# Altium PCB Copy of Power_Management_Board.PcbDoc (part 1 of 2)
Units mm, origin at the board's own origin, x right, y up, seen from the top; angles counter-clockwise.
Board outline 210 x 150 mm, 4 copper layers (Top Layer, Layer 1 (3.3V), Layer 2 (GND), Bottom Layer), stack 1.606 mm thick; 112 components, 88 nets, 553 pads, 196 vias.
Unrouted connection lines stored in the file: 1.
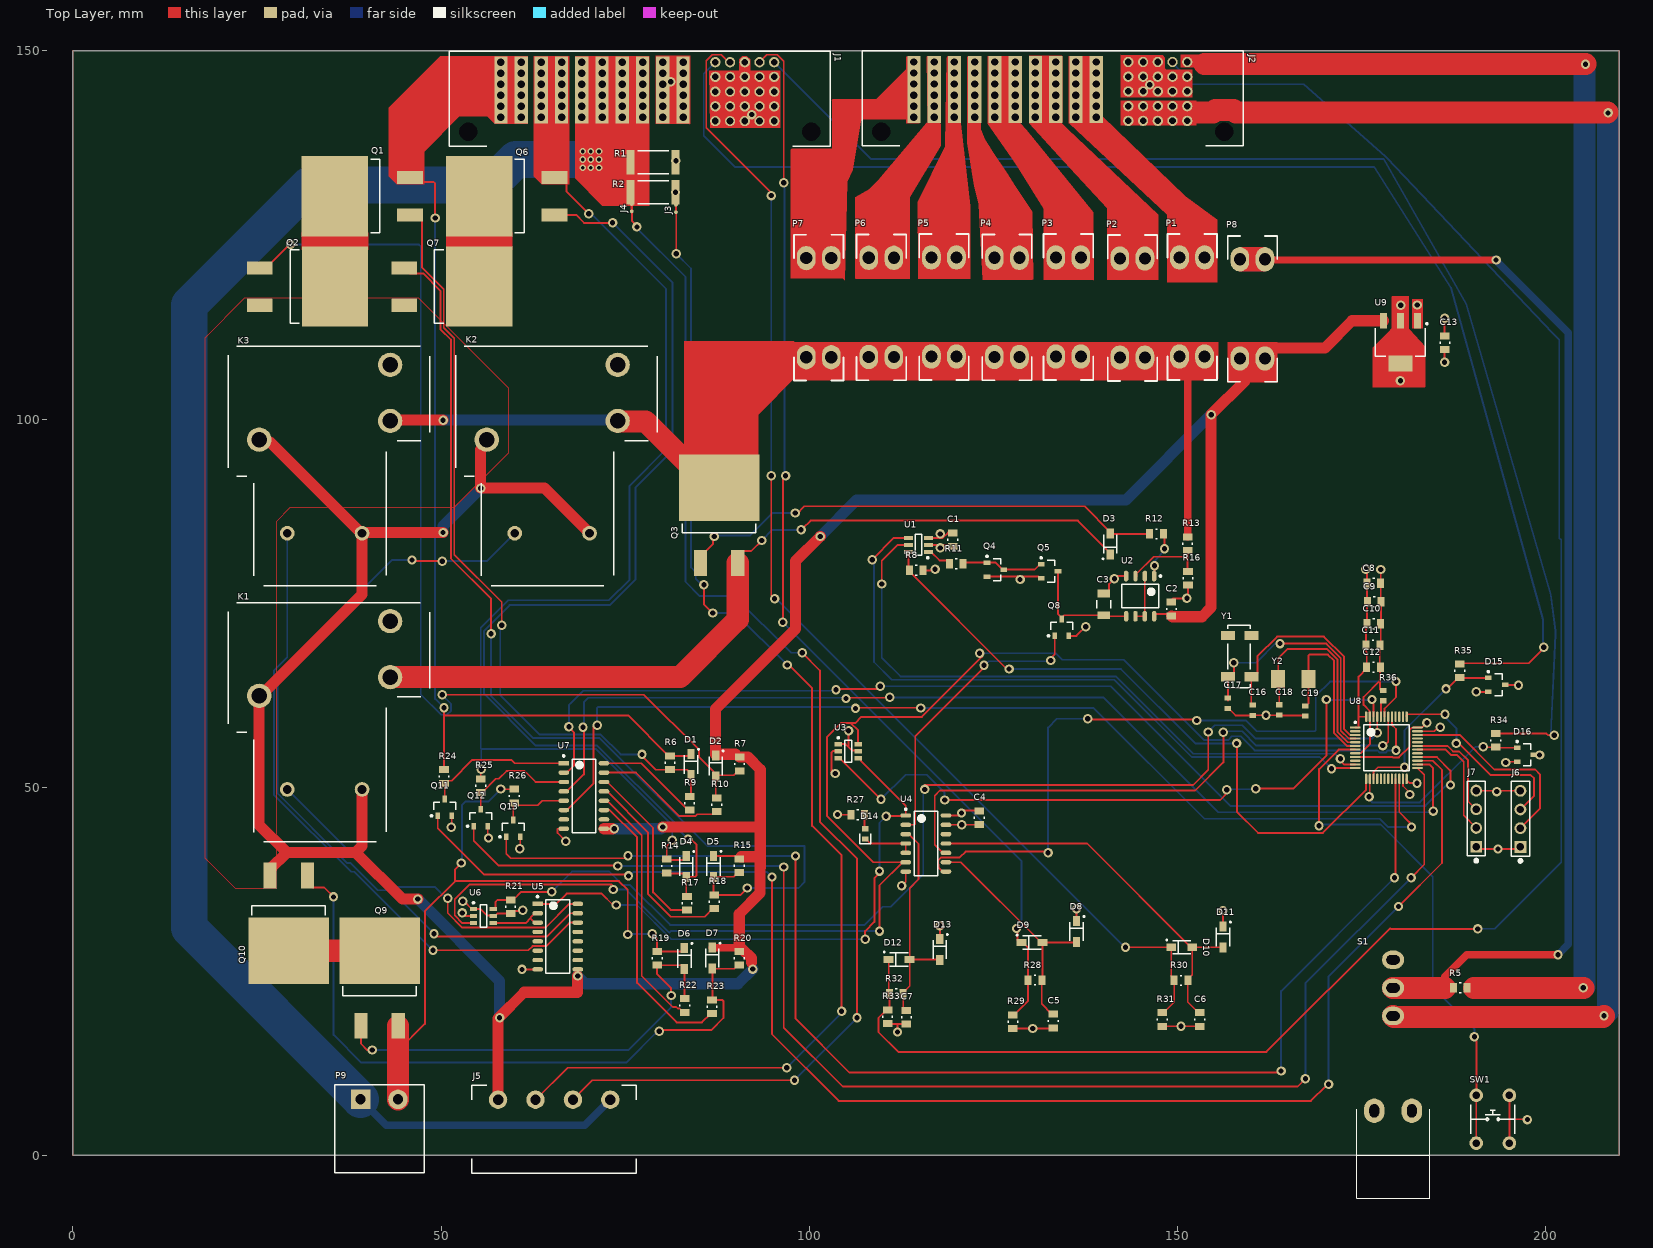
[diagram p0: Top Layer view]
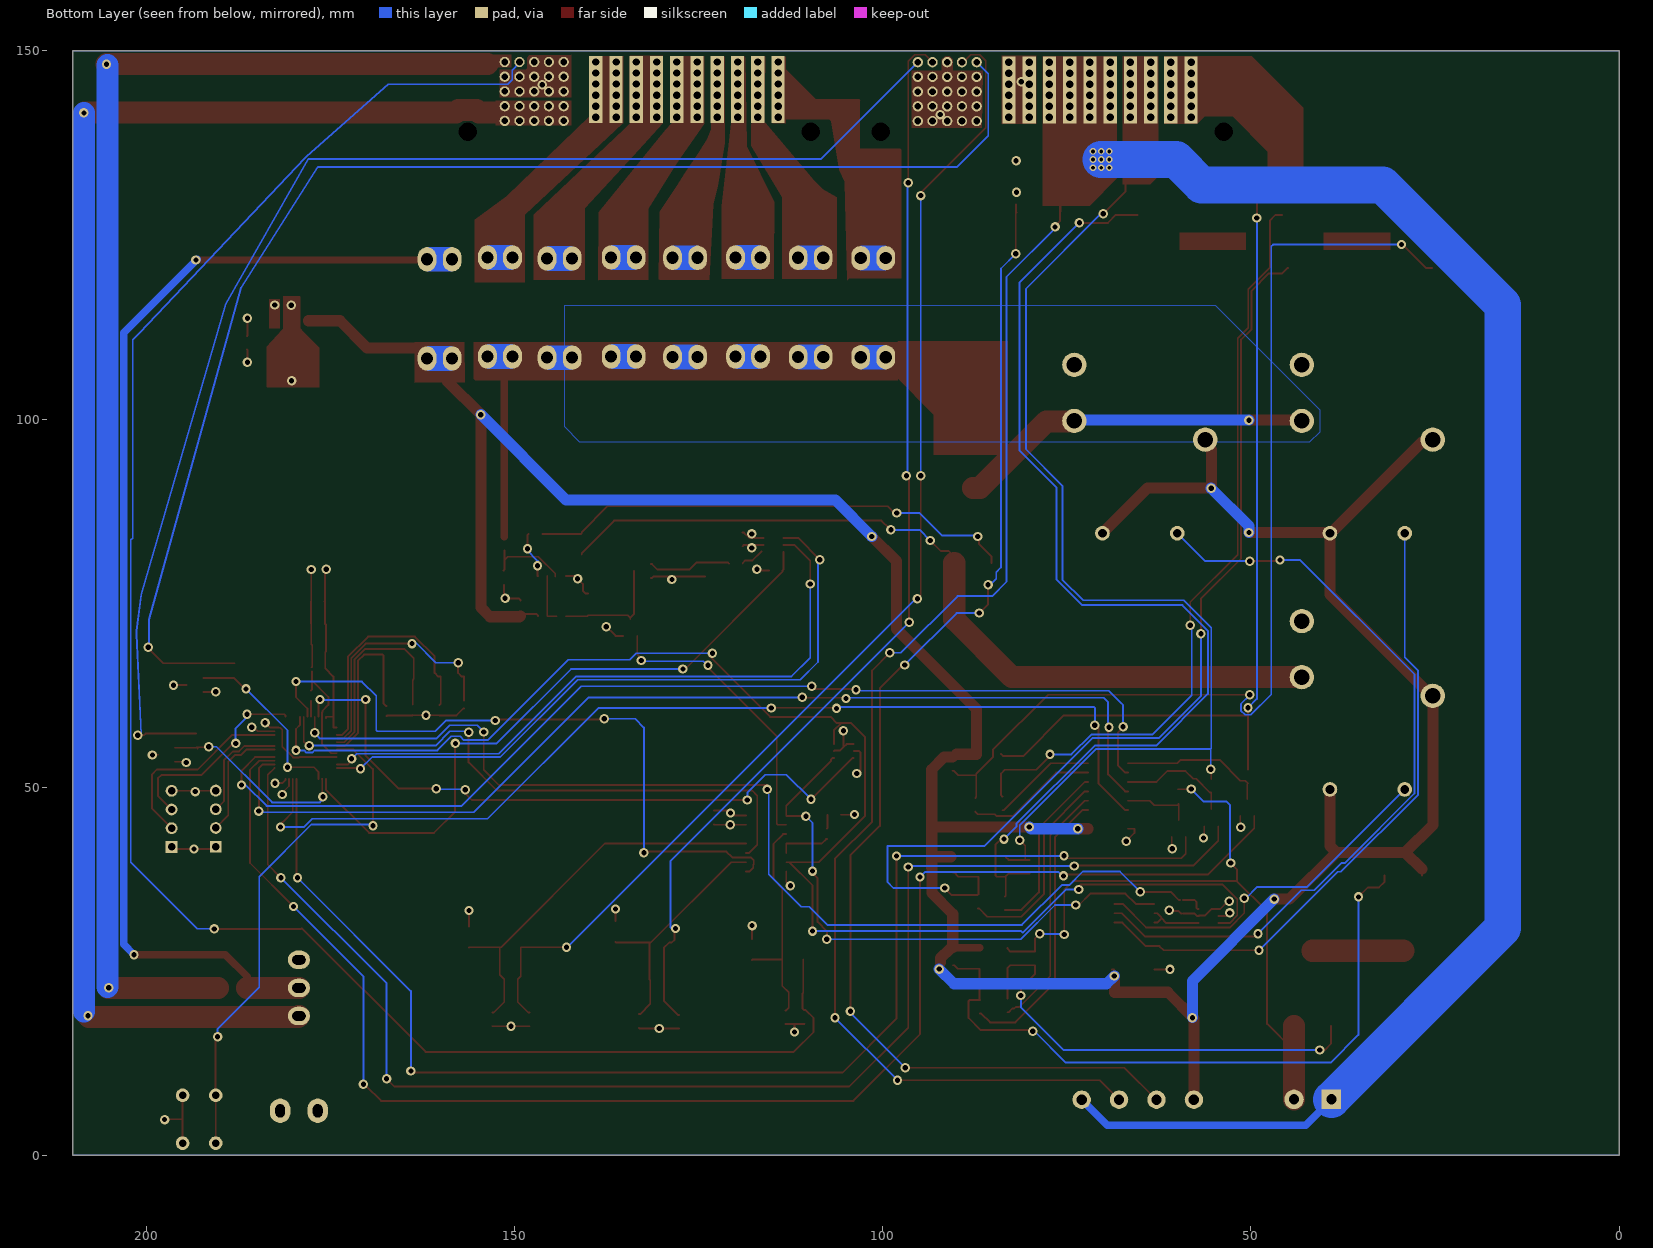
[diagram p1: Bottom Layer view, seen from below]

## Layer stack, top to bottom
Top Solder: solder mask 0.0102, Solder Resist, Dk 3.5
Top Layer: signal copper 0.0356
Dielectric 2: prepreg 0.2, PP-006, Dk 4.1
Layer 1 (3.3V): signal copper 0.0175
Dielectric 1: dielectric 1.1, FR-4, Dk 4.8
Layer 2 (GND): signal copper 0.0175
Dielectric 3: prepreg 0.2, PP-006, Dk 4.1
Bottom Layer: signal copper 0.0356
Bottom Solder: solder mask 0.0102, Solder Resist, Dk 3.5

## Board outline
0,0 210,0 210,150 0,150

## Design rules (kind name [scope] priority, off if disabled: settings)
BoardOutlineClearance [All] p1: gap=0.4 ignorepadtopadclearanceinfootprint=FALSE except(0: Arc-SplitContinuation Track-SplitContinuation SMDPad-SplitContinuation THPad-SplitContinuation Via-SplitContinuation Fill-SplitContinuation Poly-SplitContinuation Region-SplitContinuation Text-SplitContinuation)
Clearance [All] p1: gap=0.3 ignorepadtopadclearanceinfootprint=FALSE except(0: Arc-Text Arc-Hole Track-Text Track-Hole SMDPad-Text SMDPad-Hole THPad-Text THPad-Hole Via-Text Via-Hole Fill-Text Fill-Hole Poly-Text Poly-Hole Region-Text Region-Hole Text-Text Text-Hole; 0.2: Arc-Arc Arc-Track Arc-SMDPad Arc-THPad Arc-Via Track-Track Track-SMDPad Track-THPad Track-Via SMDPad-SMDPad SMDPad-THPad SMDPad-Via THPad-THPad THPad-Via Via-Via)
PolygonConnect PolygonConnect_HighCurrent [InNetClass('High Current')] p1: thpad.connectstyle=Relief thpad.reliefconductorwidth=0.5 thpad.reliefentries=4 thpad.polygonreliefangle="90 Angle" thpad.airgapwidth=0.35 smdpad.connectstyle=Direct smdpad.reliefconductorwidth=0.254 smdpad.reliefentries=4 smdpad.polygonreliefangle="90 Angle" smdpad.airgapwidth=0.254 via.connectstyle=Direct via.reliefconductorwidth=0.254 via.reliefentries=4 via.polygonreliefangle="90 Angle" via.airgapwidth=0.254
PolygonConnect [All] p2: thpad.connectstyle=Relief thpad.reliefconductorwidth=0.254 thpad.reliefentries=4 thpad.polygonreliefangle="90 Angle" thpad.airgapwidth=0.254 smdpad.connectstyle=Direct smdpad.reliefconductorwidth=0.254 smdpad.reliefentries=4 smdpad.polygonreliefangle="90 Angle" smdpad.airgapwidth=0.254 via.connectstyle=Direct via.reliefconductorwidth=0.254 via.reliefentries=4 via.polygonreliefangle="90 Angle" via.airgapwidth=0.254
RoutingVias [All] p1: holewidth=0.4 width=0.8 viastyle="Through Hole" minholewidth=0.3 minwidth=0.6 maxholewidth=6.3 maxwidth=10
SolderMaskExpansion [All] p1: expansion=0.102 istentingtop=FALSE
Width [All] p1: maxlimit=10 minlimit=0.2 preferedwidth=0.25 minimp=50.000000 maximp=50.000000 favimp=50.000000
30 further rules are at their usual default settings.

## Classes and differential pairs
component class SCH3_Microcontroller: C8 C9 C10 C11 C12 C13 C16 C17 C18 C19 D15 D16 J6 J7 R34 R35 R36 SW1 U8 U9 Y1 Y2
component class SCH2_Switching: C1 C2 C3 C4 C5 C6 C7 D1 D2 D3 D4 D5 D6 D7 D8 D9 D10 D11 D12 D13 D14 K1 K2 K3 Q1 Q2 Q3 Q4 Q5 Q6 Q7 Q8 Q9 Q10 Q11 Q12 Q13 R6 R7 R8 R9 R10 R11 R12 R13 R14 R15 R16 R17 R18 R19 R20 R21 R22 R23 R24 R25 R26 R27 R28 R29 R30 R31 R32 R33 U1 U2 U3 U4 U5 U6 U7
component class SCH1_Connectors: J1 J2 J3 J4 J5 P1 P2 P3 P4 P5 P6 P7 P8 P9 R1 R2 R5 S1

## Components (designator, comment, footprint, x,y, rotation, side; value= is the part's Value field where it differs from the comment)
C1 "0.10uF" chip_0805 119.5,83.6 r90 top
C2 "0.10uF" chip_0805 149.2,74.2 r270 top
C3 "10uF" chip_1206 140,74.825 r90 top
C4 "0.10uF" chip_0805 123.1,45.85 r90 top
C5 "0.10uF" chip_0805 133.15,18.25 r90 top
C6 "0.10uF" chip_0805 153.05,18.45 r90 top
C7 "0.10uF" chip_0805 113.2,18.75 r90 top
C8 "0.10uF" chip_0805 176.7,77.7 r0 top
C9 "0.10uF" chip_0805 176.75,75.2 r0 top
C10 "0.10uF" chip_0805 176.7,72.2 r0 top
C11 "0.10uF" chip_0805 176.575,69.3 r0 top
C12 "0.10uF" chip_0805 176.65,66.3 r0 top
C13 "10uF" chip_0805 186.35,110.35 r90 top
C16 "6pF" chip_0603 160.25,60.45 r270 top
C17 "6pF" chip_0603 156.85,61.4 r270 top
C18 "8pF" chip_0603 163.85,60.5 r270 top
C19 "8pF" chip_0603 167.4,60.35 r270 top
D1 "diode_1" sod123_0 83.95,53.1 r270 top
D2 "diode_1" sod123_0 87.3,52.9 r270 top
D3 "diode_1" sod123_0 140.9,83.05 r90 top
D4 "diode_1" sod123_0 83.3,39.25 r270 top
D5 "diode_1" sod123_0 87,39.25 r270 top
D6 "diode_1" sod123_0 83.05,26.75 r270 top
D7 "diode_1" sod123_0 86.85,26.775 r270 top
D8 "diode_0" sod123_0 136.3,30.4 r270 top
D9 "diode_0" sod123_0 130.264,28.903 r0 top
D10 "diode_0" sod123_0 150.6,28.25 r0 top
D11 "diode_0" sod123_0 156.2,29.65 r270 top
D12 "diode_0" sod123_0 112.225,26.6 r0 top
D13 "diode_0" sod123_0 117.75,27.95 r270 top
D14 "diode_4" chip_0603_LED 107.6,43.65 r90 top
D15 "D1213A-01SO-7" SOT-23-3_1 193.4,63.9 r0 top
D16 "D1213A-01SO-7" SOT-23-3_1 197.3,54.4 r0 top
J1 "2-1926730-5" TE_CONN_2-1926730-5 77,143.75 r180 top
J2 "2-1926730-5" TE_CONN_2-1926730-5 133.1,143.775 r180 top
J3 "Net Tie" net_tie_0 81.9,128.6 r90 top net-tie
J4 "Net Tie" net_tie_0 75.9,128.7 r90 top net-tie
J5 "conn-4x1_0" PHOENIX_1757268 57.75,7.55 r0 top
J6 "conn-4x1_0" HDDR_4x1_0 196.6,45.7 r90 top
J7 "conn-4x1_0" HDDR_4x1_0 190.6,45.73 r90 top
K1 "T9AS1D12-24" TE_CONN_T9AS 48.48,75.06 r0 top
K2 "T9AS1D12-24" TE_CONN_T9AS 79.38,109.86 r0 top
K3 "T9AS1D12-24" TE_CONN_T9AS 48.48,109.86 r0 top
P1 "conn-fuse-holder_0" FUSE_HOLDER_KEYSTONE_3557-2 150.296,121.962 r270 top
P2 "conn-fuse-holder_0" FUSE_HOLDER_KEYSTONE_3557-2 142.196,121.8 r270 top
P3 "conn-fuse-holder_0" FUSE_HOLDER_KEYSTONE_3557-2 133.5,121.962 r270 top
P4 "conn-fuse-holder_0" FUSE_HOLDER_KEYSTONE_3557-2 125.15,121.9 r270 top
P5 "conn-fuse-holder_0" FUSE_HOLDER_KEYSTONE_3557-2 116.6,121.962 r270 top
P6 "conn-fuse-holder_0" FUSE_HOLDER_KEYSTONE_3557-2 108.096,121.9 r270 top
P7 "conn-fuse-holder_0" FUSE_HOLDER_KEYSTONE_3557-2 99.6,121.862 r270 top
P8 "conn-fuse-holder_0" FUSE_HOLDER_KEYSTONE_3557-2 158.5,121.7 r270 top
P9 "conn-2x1_0" PHOENIX_1757242 41.61,7.6 r0 top
Q1 "SQM40031EL_GE3" D2PAK-3_1 35.587,130.26 r0 top
Q2 "SQM40031EL_GE3" D2PAK-3_1 35.6,118 r180 top
Q3 "SQM40031EL_GE3" D2PAK-3_1 87.76,90.663 r270 top
Q4 "MMBT3906LT1G" SOT-23-3_1 125.3,79.55 r0 top
Q5 "MMBT3906LT1G" SOT-23-3_1 132.65,79.35 r0 top
Q6 "SQM40031EL_GE3" D2PAK-3_1 55.187,130.26 r0 top
Q7 "SQM40031EL_GE3" D2PAK-3_1 55.2,118 r180 top
Q8 "BSS138" sot-23-3 134.3,71.7 r90 top
Q9 "SQM40031EL_GE3" D2PAK-3_1 41.65,27.8 r270 top
Q10 "SQM40031EL_GE3" D2PAK-3_1 29.31,27.787 r90 top
Q11 "BSS138" sot-23-3 50.5,47.25 r90 top
Q12 "BSS138" sot-23-3 55.4,45.85 r90 top
Q13 "BSS138" sot-23-3 59.8,44.4 r90 top
R1 "0.0015" chip_2512 78.8,134.9 r180 top
R2 "0.0015" chip_2512 78.8,130.8 r180 top
R5 "2.2k" chip_0805 188.45,22.75 r180 top
R6 "100k" chip_0805 81.1,53.3 r270 top
R7 "100k" chip_0805 90.55,53.15 r270 top
R8 "10k" chip_0805 114.55,79.45 r0 top
R9 "10k" chip_0805 83.75,47.8 r270 top
R10 "10k" chip_0805 87.45,47.6 r270 top
R11 "10k" chip_0805 119.95,80.35 r0 top
R12 "2.2k" chip_0805 147.175,84.4 r0 top
R13 "68k" chip_0805 151.4,83.05 r270 top
R14 "100k" chip_0805 80.65,39.3 r270 top
R15 "100k" chip_0805 90.5,39.35 r270 top
R16 "10k" chip_0805 151.45,78.4 r270 top
R17 "10k" chip_0805 83.4,34.25 r270 top
R18 "10k" chip_0805 87.1,34.45 r270 top
R19 "100k" chip_0805 79.35,26.75 r270 top
R20 "100k" chip_0805 90.5,26.75 r270 top
R21 "10k" chip_0805 59.45,33.75 r270 top
R22 "10k" chip_0805 83.1,20.35 r270 top
R23 "10k" chip_0805 86.8,20.175 r270 top
R24 "100k" chip_0805 50.4,51.45 r270 top
R25 "100k" chip_0805 55.4,50.2 r270 top
R26 "100k" chip_0805 59.95,48.8 r270 top
R27 "360" chip_0805 106.6,46.25 r0 top
R28 "100k" chip_0805 130.664,23.803 r0 top
R29 "10k" chip_0805 127.664,18.153 r90 top
R30 "100k" chip_0805 150.5,23.75 r0 top
R31 "10k" chip_0805 147.95,18.45 r90 top
R32 "100k" chip_0805 111.85,21.95 r0 top
R33 "10k" chip_0805 110.65,18.8 r90 top
R34 "47" chip_0805 193.25,56.35 r90 top
R35 "47" chip_0805 188.35,65.8 r90 top
R36 "1.1k" chip_0603 177.95,62.45 r90 top
S1 "SW-SPDT" M2012TXG41-DC 179.3,26.55 r0 top
SW1 "SW_1P1T_2" TE_CONN_3-1825910-5 192.85,4.9 r0 top
U1 "DAC081S101CIMK" TSOT-23-6 114.85,82.9 r180 top
U2 "OPA2170AIDR" SO-8_1 144.95,75.95 r270 top
U3 "SN74LVC1G11DBVR" sot-23-6 105.3,54.9 r0 top
U4 "SN74AHC14D" SO-14 115.85,42.35 r0 top
U5 "ULN2003AD" SO-16_1 65.85,29.7 r0 top
U6 "SN74LVC1G11DBVR" sot-23-6 55.75,32.5 r0 top
U7 "ULN2003AD" SO-16_1 69.4,48.8 r0 top
U8 "STM32F103C8" LQFP48_0 178.4,55.35 r0 top
U9 "LM1117" sot-223-4 180.3,110.45 r270 top
Y1 "osc_xtal_2p_0" ABS25_OSC 156.875,65.012 r90 top
Y2 "osc_xtal_2p_0" smd2-0 163.7,64.7 r0 top

## Footprints (in the part's own frame and the unit in brackets; to place one, negate y for a bottom-side part, rotate by r counter-clockwise, add the part's x,y. Pads: shape width x height; smd on the part's side, far side on the other; paste and mask are expansions set on the pad)
ABS25_OSC [mil] "Abracon Tuning Fork Oscillators"
  rect 50x75 smd: 1(0,-125) 2(0,0) 3(220,0) 4(220,-125)
  silkscreen extent -59,-118 276,0
chip_0603 [mm]
  rect 0.7x0.9 smd: 1(-0.7,0) 2(0.7,0)
  body extent -0.85,-0.45 0.85,0.45, height 0.6
chip_0603_LED [mm]
  rect 0.7x0.9 smd: 1(-0.7,0) 2(0.7,0)
  silkscreen extent -1.35,-0.75 0,0.73, body extent -0.85,-0.45 0.85,0.45, height 0.6
chip_0805 [mm]
  rect 0.95x1.3 smd: 1(-0.925,0) 2(0.925,0)
  silkscreen extent -0.13,-0.66 0.13,0.66, body extent -1.05,-0.65 1.05,0.65, height 0.6
chip_1206 [mm]
  rect 1.05x1.7 smd: 1(-1.475,0) 2(1.475,0)
  silkscreen extent -0.55,-0.95 0.55,0.95, body extent -1.65,-0.85 1.65,0.85, height 0.6
chip_2512 [mm]
  rect 1.1x3.3 smd: 1(-3.05,0) 2(3.05,0)
  silkscreen extent -2.1,-1.55 2.1,1.55, body extent -3.25,-1.65 3.25,1.65, height 0.6
D2PAK-3_1 [mm] "slightly larger pads that *_0"
  rect 3.504x1.78 smd: 1(10.213,-2.54) 3(10.213,2.54)
  rect 9.02x10.92 smd: 4(0,0)
  silkscreen extent 4.85,-4.98 6.1,5, body extent -4,-5 10.74,5, height 4.22
FUSE_HOLDER_KEYSTONE_3557-2 [mil]
  oval 130x100 hole 65: 1(0,134) 1(0,0) 2(530,0) 2(530,134)
  Multi-Layer region: -65,134 -65,0 64,0 65,0 65,134
  Multi-Layer region: 465,134 465,0 594,0 595,0 595,134
  silkscreen extent -125,-65 655,200, body extent -124,-65 656,200, height 290
HDDR_4x1_0 [mm]
  rect 1.6x1.6 hole 1.016: 1(-3.81,0)
  round 1.6 hole 1.016: 2(-1.27,0) 3(1.27,0) 4(3.81,0)
  silkscreen extent -5.91,-1.25 5.1,1.25, body extent -5.08,-1.27 5.08,1.27, height 8.54
LQFP48_0 [mm] "LQFP48, 7.00x7.00mm, 0.50mm"
  oval 1.45x0.3 smd: 1(-4.225,2.75) 2(-4.225,2.25) 3(-4.225,1.75) 4(-4.225,1.25) 5(-4.225,0.75) 6(-4.225,0.25) 7(-4.225,-0.25) 8(-4.225,-0.75) 9(-4.225,-1.25) 10(-4.225,-1.75) 11(-4.225,-2.25) 12(-4.225,-2.75) 25(4.225,-2.75) 26(4.225,-2.25) 27(4.225,-1.75) 28(4.225,-1.25) 29(4.225,-0.75) 30(4.225,-0.25) 31(4.225,0.25) 32(4.225,0.75) 33(4.225,1.25) 34(4.225,1.75) 35(4.225,2.25) 36(4.225,2.75)
  oval 0.3x1.45 smd: 13(-2.75,-4.225) 14(-2.25,-4.225) 15(-1.75,-4.225) 16(-1.25,-4.225) 17(-0.75,-4.225) 18(-0.25,-4.225) 19(0.25,-4.225) 20(0.75,-4.225) 21(1.25,-4.225) 22(1.75,-4.225) 23(2.25,-4.225) 24(2.75,-4.225) 37(2.75,4.225) 38(2.25,4.225) 39(1.75,4.225) 40(1.25,4.225) 41(0.75,4.225) 42(0.25,4.225) 43(-0.25,4.225) 44(-0.75,4.225) 45(-1.25,4.225) 46(-1.75,4.225) 47(-2.25,4.225) 48(-2.75,4.225)
  silkscreen extent -4.35,-3.1 3.1,3.57, body extent -3.5,-3.5 3.5,3.5, height 1.6
M2012TXG41-DC [mm] "SPDT, right angle, thru-hole"
  oval 2.8x3.3 hole 1.3 slot 1.8 at 90 deg: 0(-2.55,-20.5) 0(2.55,-20.5)
  oval 3x2.5 hole 1.3 slot 1.8 at 0 deg: 1(0,-7.62) 2(0,-3.81) 3(0,0)
  silkscreen extent -4.95,-32.38 4.95,-20.32, body extent -4.64,-35.32 4.64,0.35, height 17.35
net_tie_0 [mm] "Net Tie"
  round 0.5 smd: 1(-0.5,0) 2(0.5,0)
  Top Layer lines w0.3: -0.5,0 0.5,0
PHOENIX_1757242 [mm]
  rect 2.65x2.65 hole 1.4 unplated: 1(-2.54,0)
  round 2.65 hole 1.4 unplated: 2(2.54,0)
  silkscreen extent -6.05,-10 6.1,2, body extent -6.04,-10 6.12,2, height 8.6
PHOENIX_1757268 [mm]
  round 2.5 hole 1.4: 1(0,0) 2(5.08,0) 3(10.16,0) 4(15.24,0)
  silkscreen extent -3.55,-10 18.79,2, body extent -3.55,-10 18.77,2, height 8.6
smd2-0 [mm] "2-SMD 3.2x5mm"
  rect 1.9x2.4 smd: 1(0,0) 2(4.1,0)
SO-8_1 [mm] "SO-8 Package"
  oval 1.45x0.6 smd: 1(-2.725,1.905) 2(-2.725,0.635) 3(-2.725,-0.635) 4(-2.725,-1.905) 5(2.725,-1.905) 6(2.725,-0.635) 7(2.725,0.635) 8(2.725,1.905)
  silkscreen extent -2.85,-2.5 1.6,2.88, body extent -3.08,-2.5 3.08,2.5, height 2
SO-14 [mm] "SOIC, 14-Leads, Body 8.65x3.90mm, Pitch 1.27mm, IPC Medium Density"
  oval 1.45x0.6 smd: 1(-2.725,3.81) 2(-2.725,2.54) 3(-2.725,1.27) 4(-2.725,0) 5(-2.725,-1.27) 6(-2.725,-2.54) 7(-2.725,-3.81) 8(2.725,-3.81) 9(2.725,-2.54) 10(2.725,-1.27) 11(2.725,0) 12(2.725,1.27) 13(2.725,2.54) 14(2.725,3.81)
  silkscreen extent -2.85,-4.4 1.6,4.78, body extent -3.08,-4.4 3.08,4.41, height 2
SO-16_1 [mm]
  rect 1.45x0.6 smd: 1(-2.725,4.445)
  oval 1.45x0.6 smd: 2(-2.725,3.175) 3(-2.725,1.905) 4(-2.725,0.635) 5(-2.725,-0.635) 6(-2.725,-1.905) 7(-2.725,-3.175) 8(-2.725,-4.445) 9(2.725,-4.445) 10(2.725,-3.175) 11(2.725,-1.905) 12(2.725,-0.635) 13(2.725,0.635) 14(2.725,1.905) 15(2.725,3.175) 16(2.725,4.445)
  silkscreen extent -2.87,-5 1.6,5.57, body extent -3.11,-5.04 3.06,5.04, height 2
sod123_0 [mm] "SOD123, 1.65mm x 2.70mm"
  rect 1.35x1 smd: 1(-1.425,0) 2(1.425,0)
  silkscreen extent -2.13,-0.9 1.25,1.12, body extent -1.45,-0.9 1.45,0.9, height 1
sot-23-3 [mm] "SOT-23-3 package"
  rect 0.9x0.6 smd: 1(-1.15,0.95) 2(-1.15,-0.95) 3(1.15,0)
  silkscreen extent -1.27,-1.5 0.7,1.92, body extent -1.42,-1.5 1.42,1.5, height 1.2
SOT-23-3_1 [mm] "SOT-23-3 package"
  rect 0.9x0.6 smd: 1(-1.15,0.95) 2(-1.15,-0.95) 3(1.15,0)
  silkscreen extent -1.27,-1.5 0.7,1.92, body extent -1.42,-1.5 1.42,1.5, height 1.2
sot-23-6 [mm] "SOT23, 6-Leads, Body 2.90x2.80mm, Pitch 0.95mm, IPC Medium Density"
  rect 1x0.6 smd: 1(-1.35,0.95) 2(-1.35,0) 3(-1.35,-0.95) 4(1.35,-0.95) 5(1.35,0) 6(1.35,0.95)
  silkscreen extent -1.47,-1.5 0.45,1.92, body extent -1.42,-1.5 1.42,1.5, height 1.2
sot-223-4 [mm]
  rect 2.15x0.95 smd: 1(-2.9,2.3) 2(-2.9,0) 3(-2.9,-2.3)
  rect 2.15x3.25 smd: 4(2.9,0)
  silkscreen extent -2.62,-3.4 1.9,3.73, body extent -1.9,-3.4 1.9,3.4, height 1.1
TE_CONN_2-1926730-5 [mm]
  round 0 hole 2.5 unplated: 0(-23.3,4.725) 0(23.3,4.725)
  rect 1.8x1.6 hole 1: 1(-5.875,-1.725) 1(-5.875,-0.225) 1(-5.875,1.275) 1(-5.875,2.775) 1(-5.875,-4.725) 1(-5.875,-3.225) 2(-3.125,2.775) 2(-3.125,-0.225) 2(-3.125,1.275) 2(-3.125,-3.225) 2(-3.125,-1.725) 2(-3.125,-4.725) 3(-0.375,2.775) 3(-0.375,1.275) 3(-0.375,-0.225) 3(-0.375,-1.725) 3(-0.375,-3.225) 3(-0.375,-4.725) 4(2.375,2.775) 4(2.375,-0.225) 4(2.375,1.275) 4(2.375,-3.225) 4(2.375,-1.725) 4(2.375,-4.725) 5(5.125,-1.725) 5(5.125,-0.225) 5(5.125,1.275) 5(5.125,2.775) 5(5.125,-4.725) 5(5.125,-3.225) 6(7.875,-4.725) 6(7.875,-3.225) 6(7.875,-1.725) 6(7.875,-0.225) 6(7.875,1.275) 6(7.875,2.775) 7(10.625,-4.725) 7(10.625,-3.225) 7(10.625,-1.725) 7(10.625,-0.225) 7(10.625,1.275) 7(10.625,2.775) 8(13.375,-4.725) 8(13.375,-3.225) 8(13.375,-1.725) 8(13.375,-0.225) 8(13.375,1.275) 8(13.375,2.775) 9(16.125,-4.725) 9(16.125,-3.225) 9(16.125,-1.725) 9(16.125,-0.225) 9(16.125,1.275) 9(16.125,2.775) 10(18.875,-4.725) 10(18.875,-3.225) 10(18.875,-1.725) 10(18.875,-0.225) 10(18.875,1.275) 10(18.875,2.775)
  round 1.4 hole 0.9: A1(-18.25,-4.725) A2(-16.25,-4.725) A3(-14.25,-4.725) A4(-12.25,-4.725) A5(-10.25,-4.725) B1(-18.25,-2.725) B2(-16.25,-2.725) B3(-14.25,-2.725) B4(-12.25,-2.725) B5(-10.25,-2.725) C1(-18.25,-0.725) C2(-16.25,-0.725) C3(-14.25,-0.725) C4(-12.25,-0.725) C5(-10.25,-0.725) D1(-18.25,1.275) D2(-16.25,1.275) D3(-14.25,1.275) D4(-12.25,1.275) D5(-10.25,1.275) E1(-18.25,3.275) E2(-16.25,3.275) E3(-14.25,3.275) E4(-12.25,3.275) E5(-10.25,3.275)
  silkscreen extent -25.87,-6.23 25.87,6.67, body extent -25.86,-19.82 25.85,6.68, height 9.03
TE_CONN_3-1825910-5 [mm] "TE Connectivity Tactile Push-Button"
  round 1.85 hole 1 unplated: 1(2.25,3.25) 2(2.25,-3.25) 3(-2.25,3.25) 4(-2.25,-3.25)
  silkscreen extent -3,-2 3,2, body extent -2.99,-3.9 3,3.9, height 8.5
TE_CONN_T9AS [mm] "T9AS/V"
  round 2 hole 1.2: 1(-9.21,-25.36) 2(-19.37,-25.36)
  round 3.3 hole 2.1: 3(-23.18,-12.66) 4(-5.4,-2.5) 5(-5.4,-10.12)
  silkscreen extent -27.4,-32.5 0,0, body extent -27.4,-32.5 0,0, height 20.4
TSOT-23-6 [mm] "TSOT-23, 6-Leads, Body 2.90x1.6mm, Pitch 0.95mm"
  rect 1.2x0.55 smd mask+0.075: 1(-1.35,0.95) 2(-1.35,0) 3(-1.35,-0.95) 4(1.35,-0.95) 5(1.35,0) 6(1.35,0.95)
  silkscreen extent -1.38,-1.42 0.45,1.85, body extent -1.4,-1.43 1.4,1.43, height 0.98

## Part data
C1 C2 C4 C5 C6 C7: library part CAP-00071, "CAP, 0.10uF, 10%, 25V, X7R, 0805", Manufacturer=Murata, Manufacturer PN=GRM21BR71E104KA01L, Tolerance=10%, Voltage Rating=25V, Capacitance=0.10uF, Part Number=CAP-00071, Type=X7R
C3: library part CAP-00539, "CAP, 10uF, ±10%, 25V, X7R, 1206", Manufacturer=Samsung, Manufacturer PN=CL31B106KAHNNNE, Tolerance=±10%, Voltage Rating=25V, Capacitance=10uF, Part Number=CAP-00539, Type=X7R
C8 C9 C10 C11 C12: library part CAP-00069, "CAP, 0.10uF, 10%, 16V, X7R, 0805", Manufacturer=Murata, Manufacturer PN=GRM219R71C104KA01D, Tolerance=10%, Voltage Rating=16V, Capacitance=0.10uF, Part Number=CAP-00069, Type=X7R
C13: library part CAP-00134, "CAP, 10uF, 10%, 6.3V, X7R, 0805", Manufacturer=Murata, Manufacturer PN=GRM21BR70J106KE76L, Tolerance=10%, Voltage Rating=6.3V, Capacitance=10uF, Part Number=CAP-00134, Type=X7R
C16 C17: library part CAP-00538, "CAP, 6pF, ±10%, 50V, C0G, 0603", Tolerance=±10%, Voltage Rating=50V, Capacitance=6pF, Part Number=CAP-00538, Type=C0G
C18 C19: library part CAP-00402, "CAP, 8pF, ±0.1pF, 50V, C0G, 0603", Manufacturer=Murata, Manufacturer PN=GRM1885C1H8R0BA01D, Tolerance=±0.1pF, Voltage Rating=50V, Capacitance=8pF, Part Number=CAP-00402, Type=C0G
D1 D2 D3 D4 D5 D6 D7: library part DIO-00072, "Dio, Zener, 12V 5% 500mW SOD-123", Current Rating=40mA, Forward Voltage=0.9V, Manufacturer="ON Semi", Manufacturer PN=MMSZ5242BT1G, Power Rating=500mW, Reverse Breakdown Voltage=12V, Tolerance=5%, Cost=0.21, Part Number=DIO-00072, Type=Zener
D8 D9 D10 D11 D12 D13: library part DIO-00060, "Dio, Silicon, 200mA, 1V, 100V, SOD-123", Current Rating=200mA, Forward Voltage=1.0V, Manufacturer="ON Semi", Manufacturer PN=SMMSD4148T3G, Reverse Breakdown Voltage=100V, Cost=0.38, Part Number=DIO-00060, Type=Silicon
D14: library part DIO-00049, "LED, Blue, 0603, Low current, HELI2 Series", Current Rating=30mA, Forward Voltage=2.65V, Manufacturer=Kingbright, Manufacturer PN=APT1608LVBC/D, Power Rating=120mW, Reverse Breakdown Voltage=5V, Cost=0.58, Part Number=DIO-00049, Type=LED
D15 D16: library part DIO-00075, "TVS, Rail-Rail Steering + Zener Clamp, 3.3V Standoff, 10V Clamping", Current Rating=1A, Manufacturer="Diodes Incorporated", Reverse Breakdown Voltage=6V, Cost=0.35, Manufacturer PN=D1213A-01SO-7, Part Number=DIO-00075, Type=TVS
J1 J2: library part CONN-00093, "Backplane Header, Blades and Pins, Edge Mount Right Angle, 10 Power 25 Signal", Manufacturer="TE Connectivity", Cost=11.68, Levels=1, Manufacturer PN=2-1926730-5, Part Number=CONN-00093, Positions per level=35, Type=Header
J3 J4: library part MISC-00039, Part Number=MISC-00039
J5: library part CONN-00096, "Terminal Block Header, 4 pos, 12A 300V, Right-Angle, THT", Manufacturer="Phoenix Contact", Manufacturer PN=1757268, Cost=1.4, Levels=1, Part Number=CONN-00096, Positions per level=4, Type="Terminal Block"
J6 J7: library part CONN-00029, "Header 4x1, 0.1\"", Levels=1, Part Number=CONN-00029, Positions per level=4, Type=Header
K1 K2 K3: library part MISC-00050, "Relay, 24V Coil, 30A, SPST, 1 Form A", Manufacturer="TE Connectivity", Cost=5.04, Manufacturer PN=T9AS1D12-24, Part Number=MISC-00050
P1 P2 P3 P4 P5 P6 P7 P8: library part CONN-00015, "Fuse Holder, 30A, 500V, LP-Mini 897, ATOF 257", Current=30, Manufacturer="Keystone Electronics", Manufacturer PN=3557-2, Cost=1.03, Levels=1, Part Number=CONN-00015, Positions per level=2
P9: library part CONN-00102, "Terminal Blk Header, 2 Pos, 5.08mm, 12A, Right-Angle", Manufacturer="Phoenix Contact", Manufacturer PN=1757242, Cost=0.64, Levels=1, Part Number=CONN-00102, Positions per level=2, Type="Terminal Block"
Q1 Q2 Q3 Q6 Q7 Q9 Q10: library part XSTR-00046, "XSTR, MOSFET P-Channel, 40V 120A 3mOhm Rds On, D2PAK", Manufacturer="Vishay Siliconix", Max Current=120A, Max Power=375W, Max Voltage=40V, Cost=2.81, Manufacturer PN=SQM40031EL_GE3, Part Number=XSTR-00046, Type=PMOS, Vgs/Vce=2.5V
Q4 Q5: library part XSTR-00038, "XSTR, PNP, 200mA, 40V, Vce 0.4V, SOT-23-3", Manufacturer="ON Semi", Max Current=200mA, Max Power=300mW, Max Voltage=40V, Cost=0.12, Manufacturer PN=MMBT3906LT1G, Part Number=XSTR-00038, Type=PNP, Vgs/Vce=0.4V
Q8 Q11 Q12 Q13: library part XSTR-00017, "XSTR NMOS, 220mA, 50V, Vgs 1.3V, SOT-23-3", Manufacturer="ON Semi", Max Current=220mA, Max Power=360mW, Max Voltage=50V, Cost=0.31, Manufacturer PN=BSS138, Part Number=XSTR-00017, Type=NFET, Vgs/Vce=1.3V
R1 R2: library part RES-00716, "RES SMD 0.0015 OHM 1% 3W 2512 50ppm, Current Sense", Manufacturer="TE Connectivity", Manufacturer PN=TLR3A30DR0015FTDG, Power Rating=3W, Tolerance=1%, Cost=1.04, Part Number=RES-00716, Resistance=0.0015
R5 R12: library part RES-00366, "RES SMD 2.2K OHM 1% 1/8W 0805", Manufacturer="Rohm Semiconductor", Manufacturer PN=KTR10EZPF2201, Power Rating=0.125W, Tolerance=1%, Part Number=RES-00366, Resistance=2.2k
R6 R7 R14 R15 R19 R20 R24 R25 R26 R28 R30 R32: library part RES-00302, "RES SMD 100K OHM 1% 1/8W 0805", Manufacturer="Rohm Semiconductor", Manufacturer PN=KTR10EZPF1003, Power Rating=0.125W, Tolerance=1%, Part Number=RES-00302, Resistance=100k
R8 R9 R10 R11 R16 R17 R18 R21 R22 R23 R29 R31 R33: library part RES-00307, "RES SMD 10K OHM 1% 1/8W 0805", Manufacturer="Rohm Semiconductor", Manufacturer PN=KTR10EZPF1002, Power Rating=0.125W, Tolerance=1%, Part Number=RES-00307, Resistance=10k
R13: library part RES-00724, "RES SMD 68K OHM 1% 1/8W 0805 100ppm", Manufacturer=Yageo, Manufacturer PN=RC0805FR-0768KL, Power Rating=1/8W, Tolerance=1%, Cost=0.1, Part Number=RES-00724, Resistance=68k
R27: library part RES-00226, "RES SMD 360 OHM 1% 1/8W 0805", Manufacturer="Rohm Semiconductor", Manufacturer PN=KTR10EZPF3600, Power Rating=0.125W, Tolerance=1%, Part Number=RES-00226, Resistance=360
R34 R35: library part RES-00154, "RES SMD 47 OHM 1% 1/8W 0805", Manufacturer="Rohm Semiconductor", Manufacturer PN=KTR10EZPF47R0, Power Rating=0.125W, Tolerance=1%, Part Number=RES-00154, Resistance=47
R36: library part RES-00264, "RES SMD 1.1K OHM 1% 1/4W 0603", Manufacturer=Panasonic, Manufacturer PN=ERJ-PA3F1101V, Power Rating=0.25W, Tolerance=1%, Part Number=RES-00264, Resistance=1.1k
S1: library part MISC-00009, "Switch, SPDT, Rocker, Thru-hole, Right-angle", Manufacturer="NKK Switches", Manufacturer PN=M2012TXW41-DA, Cost=5.1, Part Number=MISC-00009, Weight=6
SW1: library part MISC-00059, "Switch, Tactile, SPST-NO, 50mA 24V, Vertical, Thru-Hole", Manufacturer="TE Connectivity", Manufacturer PN=3-1825910-5, Cost=0.13, Part Number=MISC-00059
U1: library part ANLG-00080, "IC, DAC, 8-bit, Rail-Rail Output, SPI, 2.7~5.5V", Manufacturer=TI, Cost=1.45, Manufacturer PN=DAC081S101CIMK, Part Number=ANLG-00080
U2: library part ANLG-00068, "Op Amp, Dual, Rail-Rail, 2.7~36V, 2.1-MHz, SOIC-8", Manufacturer=TI, Cost=1.84, Manufacturer PN=OPA2170AIDR, Part Number=ANLG-00068
U3 U6: library part LOGIC-00042, "IC, AND Gate, Single 3-Input, 1.65-5.5V, SOT-23-6", Manufacturer=TI, Cost=$0.37, Manufacturer PN=SN74LVC1G11DBVR, Part Number=LOGIC-00042
U4: library part LOGIC-00014, "IC, Inverter, Hex, Schmitt Triggered Inputs, SOIC-14, SN74ACH14D", Manufacturer=TI, Cost=$0.41, Manufacturer PN=SN74AHC14D, Part Number=LOGIC-00014
U5 U7: library part ANLG-00079, "IC, 7 NPN Darlington Array, 50V 500mA", Manufacturer=TI, Cost=0.49, Manufacturer PN=ULN2003AD, Part Number=ANLG-00079
U8: library part UCTRL-00008, "STM32 M3, LQFP-48", Manufacturer=ST, Manufacturer PN=STM32F103C8, Part Number=UCTRL-00008
U9: library part PWREG-00018, "REG, Linear, Fixed 3V3, 800mA, SOT-223", Manufacturer=TI, Manufacturer PN=LM1117MPX-3.3/NOPB, Max Current=800mA, Voltage Range In="4.5 - 15V", Voltage Range Out=3.3V, Cost=1.14, Fixed/Adj=Fixed, Part Number=PWREG-00018, Reg Type=Linear
Y1: library part OSC-00003, "XTAL, 32.768kHz, 6pF, 20ppm", Frequency=32.768k, Load Capacitance=6pF, Manufacturer=Abracon, Manufacturer PN=ABS25-32.768KHZ-6-T, Tolerance=20ppm, ESR=50k, Part Number=OSC-00003
Y2: library part OSC-00000, "XTAL, 16MHz, 8pF, 50, 20ppm", Frequency=16M, Load Capacitance=8pF, Manufacturer=NDK, Manufacturer PN=NX5032GA-16MHZ-STD-CSK-4, Tolerance=20ppm, ESR=50, Part Number=OSC-00000, Stability=30ppm

## Via types
v1: diameter 1.27, hole 0.711, Top Layer to Bottom Layer, 186 vias
v2: diameter 0.9, hole 0.5, Top Layer to Bottom Layer, tented both sides, 9 vias
v3: diameter 1.27/1.27/1.27/1.27 (per signal layer), hole 0.711, Top Layer to Bottom Layer, 1 vias

## Nets (pads, with @x,y where several pads share a name; then routed paths per layer and width w, separated by ;. In a path a pad name is that pad's centre, name@x,y a point inside that pad or via, vN(x,y) a via of type N, cw(c..) or ccw(c..) an arc to the next point about the centre after c; other vN are vias at no path point)
24V_FUSED: P8.1 R5.2 S1.2 | length 159
  Top Layer w0.25: 160.4,121.85 P8.1@160.65,121.6
  Top Layer w1: P8.1@160.65,121.6 v1(193.3,121.6) ; 186.34,22.74 186.34,24.29 189.3,27.25 v1(201.7,27.25)
  Top Layer w3: S1.2@179.3,22.74 186.34,22.74
  Bottom Layer w0.25: 160.15,121.85 P8.1@161.292,120.708
  Bottom Layer w1: v1@193.1,121.7 203.1,111.7 203.1,28.65 v1(201.7,27.25)
+3.3: C1.2 C4.2 C8.1 C9.1 C10.1 C11.1 C12.1 C13.1 D8.1 D11.1 D13.1 D15.2 D16.2 J6.1 J7.1 Q4.2 Q5.2 R8.2 R21.2 R27.1 SW1.1 SW1.2 U1.3 U3.1 U3.5 U4.14 U6.1 U6.5 U8.1 U8.9 U8.24 U8.36 U8.48 U9.2 U9.4 | length 97.1
  Top Layer w0.25: v1(52.95,34.5) 53.15,34.5 54.2,33.45 U6.1@54.4,33.45 55.363,33.45 56.225,32.588 57.012,32.588 U6.5@57.1,32.5 57.3,32.5 57.625,32.825 R21.2@59.25,32.825 ; R21.2@59.45,32.825 59.8,33.175 60.975,33.175 v1(61.1,33.3) ; v1(103.85,46.3) 103.9,46.25 R27.1@105.675,46.25 ; U3.1@103.95,55.85 104.913,55.85 105.344,55.419 ; v1@105.344,57.456 105.344,55.419 ; U3.5@106.65,54.9 106.563,54.987 105.775,54.987 105.344,55.419 ; R8.2@115.475,79.45 116.95,79.45 v1(117.1,79.6) v1@117.25,79.75 ; U1.3@116.2,83.85 118.15,83.85 118.875,84.575 C1.2@119.05,84.575 ; D13.1@117.75,29.375 v1(117.75,31.2) ; U4.14@118.575,46.16 120.36,46.16 v1(120.693,46.493) 121.025,46.825 C4.2@122.95,46.825 ; Q4.2@124.15,78.6 131.15,78.6 131.35,78.4 Q5.2@131.5,78.4 ; D8.1@136.3,31.825 v1(136.3,33.45) ; v1@156.15,33.3 v1(156.2,33.25) D11.1@156.2,31.075 ; U8.9@174.175,54.1 179.242,54.1 179.302,54.04 180.098,54.04 181.575,55.517 181.575,57.797 181.853,58.075 182.011,58.075 182.036,58.1 U8.36@182.625,58.1 183.2,58.1 v1@183.7,58.6 ; U8.1@174.175,58.1 174.602,58.1 174.625,58.123 174.625,59.6 ; U8.48@175.627,59.4 175.65,59.423 U8.48@175.65,59.575 174.65,59.575 174.625,59.6 ; v1@175.775,79.475 C8.1@175.775,77.7 175.775,75.25 C9.1@175.825,75.2 175.775,75.15 C10.1@175.775,72.2 175.65,72.075 C11.1@175.65,69.3 175.65,68.4 175.725,68.325 C12.1@175.725,66.3 175.725,66.125 174.625,65.025 174.625,59.6 ; U8.24@181.15,51.125 181.15,50.973 181.173,50.95 181.15,50.95 181.55,50.55 v1(182.55,50.55) ; v1(186.3,107.7) 186.3,109.375 C13.1@186.35,109.425 ; J7.1@190.6,41.92 190.92,41.6 v1(193.55,41.6) J6.1@196.41,41.6 ; v1@190.9,62.95 D15.2@192.25,62.95 ; v1(194.6,53.36) 194.69,53.45 D16.2@196.15,53.45 ; SW1.2@195.1,1.65 195.1,4.9 ; SW1.1@195.1,8.15 195.1,4.9 ; J6.1@196.96,41.59 J6.1@197.25,41.88 ; v1(197.55,4.85) 197.5,4.9 195.1,4.9
  other v1: 105.35,57.65 183.9,58.75 190.6,62.95 128.65,78.2 175.6,79.6 117.8,84.4 180.3,105.2
  other v3: 180.35,115.45
+24_OUT: K2.5 K3.5 P1.2 P2.2 P3.2 P4.2 P5.2 P6.2 P7.2 Q3.4 R13.1 | length 71.1
  Top Layer w0.25: K3.5@43.08,99.74 K3.5@43.19,99.85 ; K2.5@73.57,100.15 K2.5@73.98,99.74
  Top Layer w1: R13.1@151.4,83.975 151.4,106
  Top Layer w1.5: K3.5@43.19,99.85 v1(50.275,99.85)
  Top Layer w3: K2.5@73.98,99.74 74.037,99.683 77.79,99.683 86.81,90.663 Q3.4@87.76,90.663
  Bottom Layer w1.5: v1(50.275,99.85) 73.87,99.85 K2.5@73.98,99.74
+24V: C2.2 D2.1 D5.1 D7.1 J5.1 K1.1 K1.3 K2.1 K2.3 K3.1 K3.3 P8.2 Q2.3 Q7.3 Q10.3 R7.1 R15.1 R20.1 U2.8 U5.9 U7.9 U9.3 | length 438.9
  Top Layer w0.25: Q10.3@26.77,38 Q10.3@26.77,38.862 ; U5.9@68.575,25.255 U5.9@68.905,25.255 ; v1@73.277,44.355 v1(73.511,44.355) ; D5.1@87,40.675 89.925,40.675 90.325,40.275 R15.1@90.5,40.275 R15.1@90.775,40.55 ; 89.8,28.2 89.95,28.05 90.325,27.675 R20.1@90.5,27.675 ; R7.1@89.975,54.475 90.375,54.075 R7.1@90.55,54.075 ; 92.155,26.195 92.155,25.488 v1(92.35,25.293) ; 93.35,39.1 93.354,39.103 ; U2.8@146.855,73.225 146.855,73.363 147.017,73.525 C2.2@149.2,73.525
  Top Layer w1: D7.1@86.85,28.2 89.8,28.2
  Top Layer w1.5: K3.3@25.3,97.2 25.644,96.856 26.779,96.856 K3.1@39.27,84.365 ; Q10.3@26.77,38.862 29.05,41.142 ; K1.1@39.27,49.7 39.27,42.004 38.408,41.142 ; v1(46.85,34.8) 44.75,34.8 38.408,41.142 ; v1(50.275,84.6) 39.724,84.6 39.719,84.596 39.501,84.596 K3.1@39.27,84.365 ; K2.3@56.2,97.2 56.2,96.713 55.35,95.863 55.35,90.65 64.02,90.65 K2.1@70.17,84.5 ; J5.1@57.75,7.55 57.75,18.6 61.3,22.15 68.55,22.15 v1(68.55,24.35) ; U7.9@72.125,44.355 v1@73.277,44.355 ; v1(80.1,44.6) 93.204,44.6 93.354,44.75 ; R7.1@89.975,54.475 87.3,54.475 87.3,60.65 98.15,71.5 98.15,80.7 v1(101.5,84.05) ; 90.5,28.2 90.5,32.787 93.35,35.638 93.35,39.1 ; R7.1@90.55,54.075 91.675,54.075 93.354,52.396 93.354,44.75 ; R15.1@90.775,40.55 93.354,40.55 ; R20.1@90.901,28.05 92.155,26.796 92.155,26.195 ; 93.354,39.103 93.354,40.55 ; C2.2@149.2,73.275 149.325,73.15 153.35,73.15 154.6,74.4 v1(154.6,100.6) 159.2,105.2 ; 163.15,109.65 170.05,109.65 173.75,113.35 U9.3@178,113.35 ; 29.05,41.142 25.3,44.892 25.3,62.2 39.27,76.17 K3.1@39.27,84.365 ; 29.05,41.142 38.408,41.142 ; 93.354,40.55 93.354,44.75
  Bottom Layer w1.5: v1(46.85,34.8) 57.95,23.7 v1(57.95,18.7) ; v1(50.275,84.6) 50.275,85.475 v1(55.4,90.6) ; v1(68.55,24.35) 69.6,23.3 90.357,23.3 v1(92.35,25.293) ; v1(73.511,44.355) 79.855,44.355 v1(80.1,44.6) ; v1(101.5,84.05) 106.45,89 143,89 v1(154.6,100.6)
+24V_SBY: J2.D1 J2.D2 J2.D3 J2.D4 J2.D5 J2.E1 J2.E2 J2.E3 J2.E4 J2.E5 S1.1 | length 208.7
  Top Layer w0.25: v1@207.93,18.93 v1(207.95,18.95) ; v1@208.45,141.65 v1(208.513,141.588)
  Top Layer w3: 151.8,141.65 154.828,141.65 155.178,142 157.622,142 157.972,141.65 v1@208.45,141.65 ; S1.1@179.3,18.93 179.43,18.8 207.8,18.8 v1@207.93,18.93
  Bottom Layer w0.25: v1(207.95,18.95) 208.513,19.512
  Bottom Layer w3: 208.513,19.512 v1(208.513,141.588)
+B1: D1.1 J1.9 J1.10 Q1.3 R6.1 R24.1 | length 120
  Top Layer w0.25: Q1.3@45.8,132.8 46.4,132.2 49,132.2 49.2,132 v1(49.2,127.3) ; v1@50.25,60.95 v1(50.4,60.8) 50.4,59.75 ; R24.1@50.4,52.375 50.4,59.75 ; D1.1@83.95,54.525 83.65,54.225 R6.1@81.1,54.225 80.925,54.225 75.4,59.75 50.4,59.75
  Bottom Layer w0.25: v1(49.2,127.3) 49.2,62 v1(50.4,60.8)
+B2: D4.1 J1.7 J1.8 Q6.3 R14.1 R25.1 | length 146
  Top Layer w0.25: R25.1@55.4,51.125 55.4,52.7 v1@55.45,52.75 ; Q6.3@65.4,132.8 66.262,132.8 67.027,132.035 67.027,130.923 v1(70.05,127.9) ; R14.1@80.05,40.125 82.925,40.125 83.3,40.5 D4.1@83.3,40.675 ; R14.1@80.65,40.225 80.65,42.05 v1(81.4,42.8)
  Bottom Layer w0.25: v1(55.45,52.45) 55.45,55.25 ; v1@70.25,128 80.55,117.7 80.55,95.9 75.6,90.95 75.6,78.2 72.8,75.4 59.15,75.4 55.39,71.64 55.39,55.31 55.45,55.25 ; v1(81.4,42.8) 81.4,44.82 71.02,55.2 55.5,55.2 55.45,55.25
+PSU: D6.1 P9.2 Q9.3 R19.1 R26.1 | length 94.6
  Top Layer w0.25: 44.15,14.2 47.8,17.85 47.8,33.15 51.9,37.25 ; Q9.3@44.15,17.547 Q9.3@44.19,17.587 ; v1(52.75,39.7) 51.9,38.85 51.9,37.25 ; v1(58.1,49.75) 58.125,49.725 R26.1@59.95,49.725 ; v1(75.35,30) 75.35,36.05 74.15,37.25 51.9,37.25 ; v1(78.7,30.1) 79.35,29.45 R19.1@79.35,27.675 82.675,27.675 83.05,28.05 D6.1@83.05,28.175
  Top Layer w3: P9.2@44.15,7.6 44.15,14.2 Q9.3@44.15,17.547
  Bottom Layer w0.25: v1@52.85,39.75 52.85,47.6 53.3,48.05 56.4,48.05 v1(58.1,49.75) ; v1@75.75,30.05 78.65,30.05 v1(78.7,30.1)
B1_EN: R10.2 U7.15 | length 18
  Top Layer w0.25: U7.15@72.125,51.975 76.475,51.975 82.375,46.075 84.535,46.075 84.785,46.325 87.1,46.325 R10.2@87.45,46.675
B1_EN_3V3: U7.2 U8.28 | length 145.9
  Top Layer w0.25: U7.2@66.675,51.975 67.1,51.975 68.05,52.925 68.05,57.462 67.36,58.152 v1(67.36,58.2) ; v1(103.65,63.25) 103.75,63.35 v1@109.9,63.35 ; U8.28@182.625,54.1 185.25,54.1 187.1,52.25 v1(187.1,50.3)
  Bottom Layer w0.25: v1(67.36,58.2) 67.36,61.16 67.6,61.4 69.3,63.1 v1@103.8,63.1 ; v1(109.65,63.7) 140.95,63.7 157.2,47.45 183.7,47.45 v1@186.6,50.35
B1_OFF: Q11.1 U8.27 | length 204.8
  Top Layer w0.25: Q11.1@49.55,46.1 49.55,44.4 55.8,38.15 v1@75.626,38.15 ; v1(94.95,37.8) 94.95,16.45 104,7.4 168.15,7.4 170.2,9.45 v1@170.2,9.75 ; v1(180.05,33.8) 185.95,39.7 185.95,52.35 184.7,53.6 U8.27@182.625,53.6
  Bottom Layer w0.25: v1(75.45,37.95) 75.606,37.95 76.156,38.5 94.25,38.5 v1(94.95,37.8) ; v1(170.55,9.65) 170.55,24.3 v1(180.05,33.8)
B1_ON: R9.2 U7.16 | length 14.3
  Top Layer w0.25: U7.16@72.125,53.245 77.205,53.245 83.575,46.875 R9.2@83.75,46.875
B1_ON_CTRL: Q11.3 R24.2 U7.1 | length 19.9
  Top Layer w0.25: Q11.3@50.5,48.4 50.5,50.425 R24.2@50.4,50.525 50.75,50.875 51.425,50.875 54.25,53.7 59.531,53.7 59.986,53.245 U7.1@66.675,53.245